# Altium PCB CRD25DA12N-FMC V1.1 (07-2023).PcbDoc (part 3 of 7) (continued)
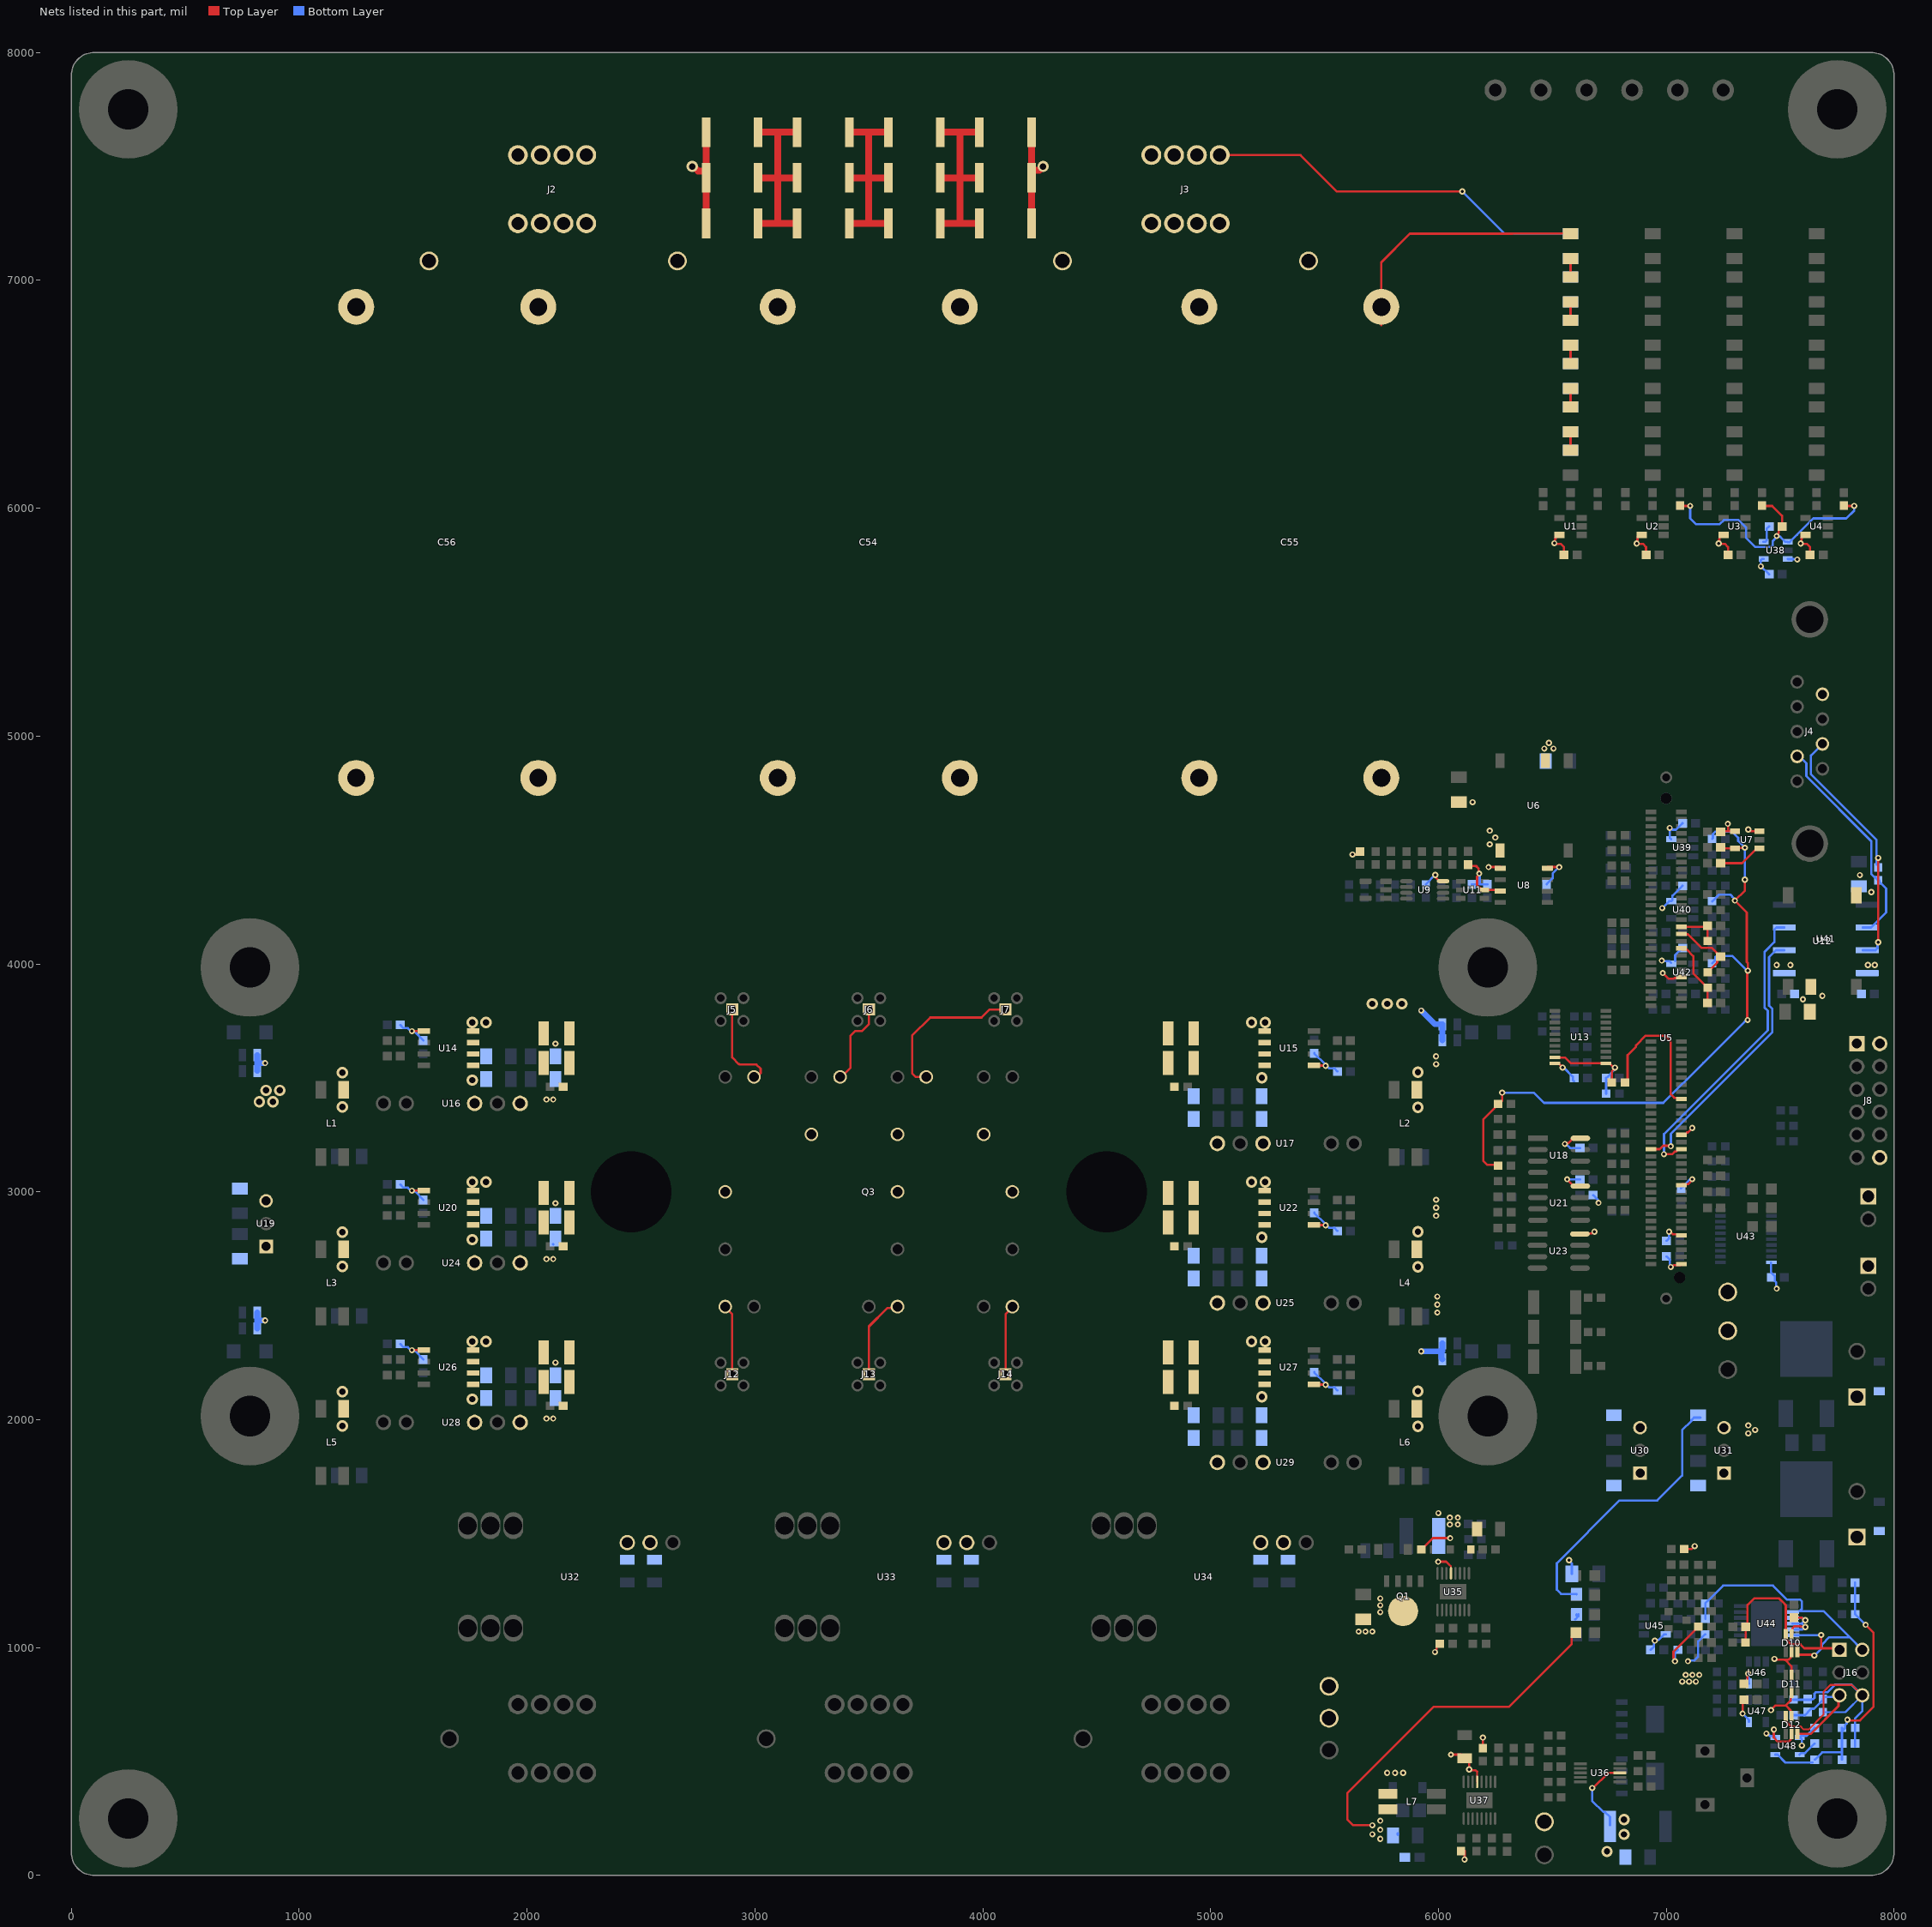
[diagram p7: the nets of this part, all layers, seen from the top]
## Part data (continued)
U14 U15 U20 U22 U26 U27: "5A/5A, 3-KVRMS SINGLE-CHANNEL IS", Manufacturer="TEXAS INSTRUMENTS", Max Operating Temperature=125°C, Mfr_Name="Texas Instruments", Min Operating Temperature=-40°C, Package=8-SOIC, Supplier Part Number 1=296-47508-ND, Working Voltage=990V, Category="Integrated Circuits (ICs)", Class=U, ComponentLink1Description=http://www.ti.com/lit/ds/symlink/ucc5350sb.pdf?src-supplier=Farnell, ComponentLink1URL=http://www.ti.com/lit/ds/symlink/ucc5350sb.pdf?src-supplier=Farnell, ComponentLink2Description=http://www.ti.com/lit/ds/symlink/ucc5350.pdf?src-supplier=Digi-Key, ComponentLink2URL=http://www.ti.com/lit/ds/symlink/ucc5350.pdf?src-supplier=Digi-Key, Copyright="Copyright (C) 2021 Ultra Librarian. All rights reserved.", Digi-Key_Part_Number_1=296-47508-ND, Manufacturer Part Number=UCC5350SBD, Manufacturer Print="TEXAS INSTRUMENTS", Manufacturer_Part_Number=UCC5350SBD, Number Of Channels=1, Pricing 1="1=3.15000, 10=2.83100, 25=2.67600, 100=2.31920, 250=2.20024, 500=1.97428, 1000=1.68300 (USD)", RefDes=RefDes, RoHS=Yes, RoHS Compliant=Yes, Stock 1=1, Supplier 1=Digi-Key, Type=DEV
U16 U17 U24 U25 U28 U29: "DC DC CONVERTER 15V -3V 1.7W", Manufacturer=MURATA, Package=7-SIP, Supplier Part Number 1=580-MGJ2D121503SC, Category="Board Mount Modules", Manufacturer Part Number=MGJ2D121503SC, Manufacturer Print=MURATA, Pricing 1="1=8.68000, 10=8.68000, 50=8.67000, 100=8.33000, 1000=8.00000, 10000=8.00000 (USD)", RoHS=Yes, Stock 1=14, Supplier 1=Mouser
U18 U21 U23: library part CMP-04896-000023-1, "IC COMPARATOR R-R HI-SPD 8-SOIC", Ambient Temperature Range High=+125°C, Ambient Temperature Range Low=-40°C, Input Bias Current=0.000002uA, Input Offset Voltage=1mV, Manufacturer="TEXAS INSTRUMENTS", Max Junction Temp=+150°C, Max Supply Voltage=5.5V, Min Supply Voltage=2.2V, Nominal Supply Current=3.2mA, Package=8-SOIC, Temperature="-40°C to +125°C", Automotive=No, Category=IC, ComponentLink2Description=Datasheet, ComponentLink2URL=http://www.ti.com/lit/ds/symlink/tlv3502.pdf, Device Class L1="Integrated Circuits (ICs)", Device Class L2="Linear ICs", Device Class L3=Comparators, Digikey Description="IC COMPARATOR R-R HI-SPD 8-SOIC", Height=1.75mm, Lead Free=Yes, Manufacturer Part Number=TLV3502AID, Manufacturer Print="TEXAS INSTRUMENTS", Mouser Description="TLV3502AID Texas Instruments, Dual Comparator, Push-Pull O/P, 3 V, 5 V 8-Pin SOIC", Number Of Channels=2, Octopart=https://octopart.com/tlv3502aid-texas+instruments-428400, RoHS=TRUE, Standoff Height=0.11mm, Temperature Range High=+125°C, Temperature Range Low=-40°C
U19 U31: "DC DC CONVERTER 5V 5W", Case/Package=SIP, Current - Output 1=1A, Manufacturer=RECOM, Max Input Voltage=28V, Max Operating Temperature=85°C, Max Output Voltage=5V, Max Power Dissipation=5W, Min Input Voltage=8V, Min Operating Temperature=-40°C, Package=3-SIP, Package Quantity=42, Supplier Part Number 1=1446013, Category="Voltage Regulators - Switching", ComponentLink1Description=http://www.farnell.com/datasheets/2787646.pdf?src-supplier=Farnell, ComponentLink1URL=http://www.farnell.com/datasheets/2787646.pdf?src-supplier=Farnell, ComponentLink2Description=http://www.mouser.com/ds/2/468/R-78Exx-1.0-958279.pdf?src-supplier=Mouser, ComponentLink2URL=http://www.mouser.com/ds/2/468/R-78Exx-1.0-958279.pdf?src-supplier=Mouser, ComponentLink3Description=https://www.recom-power.com/pdf/Innoline/R-78Exx-1.0.pdf?src-supplier=Digi-Key, ComponentLink3URL=https://www.recom-power.com/pdf/Innoline/R-78Exx-1.0.pdf?src-supplier=Digi-Key, ComponentLink4Description=http://www.farnell.com/datasheets/1848475.pdf?src-supplier=Newark, ComponentLink4URL=http://www.farnell.com/datasheets/1848475.pdf?src-supplier=Newark, ComponentLink5Description=http://www.farnell.com/datasheets/2787646.pdf?src-supplier=Element14, ComponentLink5URL=http://www.farnell.com/datasheets/2787646.pdf?src-supplier=Element14, ComponentLink6Description=http://datasheet.octopart.com/R-78E5.0-1.0-Recom-Power-datasheet-68298118.pdf?src-supplier=Rs, ComponentLink6URL=http://datasheet.octopart.com/R-78E5.0-1.0-Recom-Power-datasheet-68298118.pdf?src-supplier=Rs, Efficiency=91%, Features=SCP, Height=10.4mm, Lead Free="Lead Free", Length=11.6mm, Manufacturer Part Number=R-78E5.0-1.0, Manufacturer Print=RECOM, Max Output Current=1A, Mount="Through Hole", Number Of Outputs=1, Output Power=5W, Packaging=Rail/Tube, RoHS=Yes, RoHS Compliant=Yes, Stock 1=661, Supplier 1=Rs, Voltage - Output 1=5V, Weight=2g, Width=8.5mm
U30: "DC DC CONVERTER 3.3V 3W", Case/Package=SIP, Manufacturer=RECOM, Max Input Voltage=28V, Max Operating Temperature=85°C, Max Output Current=1A, Max Output Power=3.3W, Max Output Voltage=3.3V, Max Power Dissipation=3W, Min Input Voltage=8V, Min Input Voltage (DC)=7V, Min Operating Temperature=-40°C, Package=3-SIP, Supplier Part Number 1=9176626, Category="Board Mount Modules", ComponentLink1Description=http://www.farnell.com/datasheets/2787646.pdf?src-supplier=Farnell, ComponentLink1URL=http://www.farnell.com/datasheets/2787646.pdf?src-supplier=Farnell, ComponentLink2Description=https://www.recom-power.com/pdf/Innoline/R-78Exx-1.0.pdf?src-supplier=Digi-Key, ComponentLink2URL=https://www.recom-power.com/pdf/Innoline/R-78Exx-1.0.pdf?src-supplier=Digi-Key, ComponentLink3Description=http://www.farnell.com/datasheets/1965125.pdf?src-supplier=Element14, ComponentLink3URL=http://www.farnell.com/datasheets/1965125.pdf?src-supplier=Element14, ComponentLink4Description=http://www.farnell.com/datasheets/2787646.pdf?src-supplier=Newark, ComponentLink4URL=http://www.farnell.com/datasheets/2787646.pdf?src-supplier=Newark, Efficiency=91%, Features=SCP, Height=10.4mm, Lead Free="Lead Free", Length=11.6mm, Manufacturer Part Number=R-78E3.3-1.0, Manufacturer Print=RECOM, Max Input Voltage (DC)=28V, Mount="Through Hole", Nominal Output Voltage=3.3V, Number Of Outputs=1, Packaging=Rail/Tube, Pricing 1="1=3.93700, 5=3.82200, 10=3.69700, 25=3.58300, 50=3.46900 (USD)", Reach SVHC Compliant=Yes, RoHS=Yes, RoHS Compliant=Yes, Series="INNOLINE R-78E", Stock 1=1, Supplier 1=Rs, Voltage - Output 1=3.3V, Weight=2g, Width=8.5mm
U32 U33 U34: "SENSOR CURRENT HALL 50A AC/DC", Case/Package=Module, Current Rating=50A, Frequency=200kHz, Manufacturer=LEM, Max Operating Temperature=85°C, Max Supply Current=35mA, Min Operating Temperature=-25°C, Operating Supply Voltage=15V, Package=N/A, Package Quantity=12, Secondary Current=25mA, Supplier Part Number 1=44W8442, Accuracy=0.25%, Category="Current Sensors", ComponentLink1Description=https://datasheet.ciiva.com/2812/lah2050-p20e-2812498.pdf?src-supplier=Digi-Key, ComponentLink1URL=https://datasheet.ciiva.com/2812/lah2050-p20e-2812498.pdf?src-supplier=Digi-Key, ComponentLink2Description=https://datasheet.ciiva.com/3327/lah50p-eng-tds-3327447.pdf?src-supplier=Distrelec, ComponentLink2URL=https://datasheet.ciiva.com/3327/lah50p-eng-tds-3327447.pdf?src-supplier=Distrelec, Current Sensing=50A, Height=21mm, Lead Free="Lead Free", Linearity=0.15%, Manufacturer Part Number="LAH 50-P", Manufacturer Print=LEM, Mount="Through Hole,PCB", Number Of Channels=1, Overall Depth=14.93mm, Overall Height=21mm, Packaging=Bulk, Polarity=Bidirectional, Pricing 1="1=22.98000, 10=21.60000, 25=20.67000 (USD)", Reach SVHC Compliant=Yes, Response Time=0.5us, RoHS=Yes, RoHS Compliant=Yes, Series=LAH, Stock 1=776, Supplier 1=Newark, Width=33.3mm
U35 U37: "IC REG MULTI CONFG ADJ 16MSOP", Frequency Adjust Range="Up - 2.5MHz", Manufacturer="ANALOG DEVICES", Package=16-TFSOP, Supplier Part Number 1=51AK8743, ComponentLink1Description="Manufacturer URL", ComponentLink1URL=http://www.linear.com/, ComponentLink2Description=Datasheet, ComponentLink2URL=http://cds.linear.com/docs/en/datasheet/3581f.pdf, ComponentLink3Description="Package Specification", ComponentLink3URL=http://cds.linear.com/docs/en/packaging/05081667_F_MSE16.pdf, Manufacturer Part Number=LT3581EMSE#PBF, Manufacturer Print="ANALOG DEVICES", Mounting Technology="Surface Mount", Number Of Outputs=1, PackageDescription="16-Pin Plastic MSOP, Exposed Die Pad, Body 4.039 x 3 mm, Pitch 0.5 mm", PackageReference=MSE-16, PackageVersion="Rev. F, 05/2013", RoHS=TRUE, Supplier 1=Newark
U36: "IC SURGE SUPPRESSION ADJ 10MSOP", Manufacturer="ANALOG DEVICES", Package=10-MSOP, Supplier Part Number 1=505-LTC4368IMS-2#PBF-ND, Category="Power Management ICs", ComponentLink1Description=http://www.linear.com/docs/57622?src-supplier=Digi-Key, ComponentLink1URL=http://www.linear.com/docs/57622?src-supplier=Digi-Key, Manufacturer Part Number=LTC4368IMS-2#PBF, Manufacturer Print="ANALOG DEVICES", Pricing 1="1=6.69000, 10=6.03900, 25=5.75840, 100=5.00000, 250=4.77528, 500=4.35396, 1000=3.97500 (USD)", RoHS=Yes, Supplier 1=Digi-Key
U41: "IC TXRX/ISO HALF 1/1 8SOP", Drivers Per Package=1, Manufacturer="TEXAS INSTRUMENTS", Package=8-SOP, Rating=Catalog, ComponentLink1Description=Datasheet, ComponentLink1URL=http://www.ti.com/general/docs/lit/getliterature.tsp?genericPartNumber=ISO1050&fileType=pdf, ComponentLink2Description="Package Specification", ComponentLink2URL=http://www.ti.com/litv/pdf/mpds247b, DatasheetVersion=SLLS983E, Eco-Plan="Green (RoHS & no Sb/Br)", Isolated=Yes, Manufacturer Part Number=ISO1050DUBR, Manufacturer Print="TEXAS INSTRUMENTS", Mounting Technology="Surface Mount", PackageDescription="8-Pin Small Outline Package 2.54 mm Pitch", PackageReference=DUB0008A, PackageVersion="revC, May-2006", PartNumber=ISO1050DUBR, SubFamily=CAN, Supplier 1="Arrow Electronics", Supplier Part Number 1=ISO1050DUBR
U44: library part CMP-04895-000282-1, "IC POWER 2 CIRCUIT 14HTSSOP", Manufacturer="TEXAS INSTRUMENTS", Package=14-PowerTSSOP, Manufacturer Part Number=ALM2402FQPWPRQ1

## Via types
v1: diameter 27, hole 13, Top Layer to Bottom Layer, tented both sides, 455 vias
v2: diameter 50, hole 28, Top Layer to Bottom Layer, tented both sides, 76 vias
v3: diameter 19.68, hole 7.87, Top Layer to Bottom Layer, 27 vias

## Nets (pads, with @x,y where several pads share a name; then routed paths per layer and width w, separated by ;. In a path a pad name is that pad's centre, name@x,y a point inside that pad or via, vN(x,y) a via of type N, cw(c..) or ccw(c..) an arc to the next point about the centre after c; other vN are vias at no path point)
+1.65V_I: C15.1 U7.1 | length 196.7
  Top Layer w10: C15.1@7238.58,4442 7332.71,4442 7398.31,4507.6 U7.1@7408.15,4507.6
+1.65V_R: C167.1 C168.1 C178.1 C180.1 C181.1 R214.1 R228.1 U48.1 | length 1233.4
  Top Layer w10: v1(7795.11,683.33) 7798.37,680.08 7822.97,680.08 7823.05,680 7850,680 7910,740 7910,1065 v1(7875,1100)
  Bottom Layer w10: U48.1@7478.7,530.2 7488.54,530.2 7523.74,495 C181.1@7642.8,495 ; C181.1@7651.42,508 7652.37,508 7684.37,540 7768.9,540 7771.42,542.52 ; C180.1@7771.42,508 7771.42,542.52 ; R228.1@7771.38,647 R228.1@7771.38,647 R228.1@7771.42,634 ; v1(7795.11,683.33) 7791.86,680.08 7791.86,666.58 7785.24,659.96 7785.24,646.96 7772.28,634 R228.1@7771.42,634 ; C167.1@7828.58,1285 C168.1@7828.58,1215 C168.1@7828.58,1215 R214.1@7828.62,1146 7829.53,1146 7875,1100.53 v1(7875,1100) ; 7771.42,542.52 7771.42,577.05 7770.47,578 C178.1@7771.42,578 R228.1@7771.42,634
+1.65V_V: C5.1 R40.2 R42.2 R44.2 U38.1 | length 1288.1
  Top Layer w10: R40.2@7060,6011.38 7061.38,6010 v1(7105,6010) ; R42.2@7420,6011.38 7421.38,6010 7465,6010 7508.58,5966.42 C5.1@7508.58,5920 7507.63,5920 7493.76,5906.14 7493.76,5891.72 7484.64,5882.6 v1(7484.64,5878) ; R44.2@7780,6011.38 7781.38,6010 v1(7825,6010)
  Bottom Layer w10: v1(7105,6010) 7105,5955 7130,5930 7234.54,5930 7253.04,5948.5 7316.81,5948.5 7350.91,5914.39 7350.91,5869.09 7390.41,5829.59 7459.9,5829.59 7467.25,5836.94 7467.25,5856.01 7484.64,5873.4 v1(7484.64,5878) 7487.9,5874.75 7500.96,5874.75 7523.31,5852.4 U38.1@7533.15,5852.4 ; U38.1@7533.15,5851.2 7541.79,5851.2 7574.09,5883.5 7645.59,5955 7790,5955 7825,5990 v1(7825,6010)
+3.3V: C6.1 C7.1 C8.1 C9.1 C23.1 C46.1 C47.1 C64.1 C73.1 C77.1 C81.1 C83.1 C104.1 C109.1 C114.1 C149.1 C172.1 J8.1 R97.2 R207.1 R217.2 TP5.1 U1.5 U2.5 U3.5 U4.5 U8.8 U12.2 U18.8 U21.8 U23.8 U30.3 U39.5 U40.5 U41.1 U42.5 U45.5 U46.5 U47.5 | length 2098.6
  Top Layer w10: U8.8@6478.35,4425 v1(6530,4425) v1@6532.5,4422.5 ; U1.5@6531.77,5882.6 6522.91,5882.6 6514.13,5873.82 6514.13,5864.96 6511.83,5862.66 6511.83,5849.68 v1(6508.58,5846.42) 6511.14,5843.86 6537.56,5843.86 6551.42,5830 C6.1@6551.42,5795 ; v1(6555,3210) 6558.25,3213.25 6570.07,3213.25 6591.81,3235 U18.8@6623.06,3235 ; v1(6565,3055) 6565,3053.41 6593.41,3025 U21.8@6623.06,3025 U21.8@6651.78,3025 ; U23.8@6621.11,2815 6655.85,2815 6658.32,2817.47 6672.87,2817.47 6680.4,2825 v1(6685,2825) ; U2.5@6891.77,5882.6 6882.91,5882.6 6874.13,5873.82 6874.13,5864.96 6873.25,5864.08 6873.25,5848.25 v1(6870,5845) 6871.14,5843.86 6897.56,5843.86 6911.42,5830 C7.1@6911.42,5795 ; R97.2@7078.62,1432 7111.29,1432 7124.29,1445 v1(7125,1445) ; U3.5@7251.77,5882.6 7242.91,5882.6 7234.13,5873.82 7234.13,5864.96 7233.25,5864.08 7233.25,5848.25 v1(7230,5845) 7231.14,5843.86 7257.56,5843.86 7271.42,5830 C8.1@7271.42,5795 ; v1(7335,710) 7335,764.58 C47.1@7341.42,771 ; C46.1@7341.42,840 7342.37,840 7356.24,853.86 7356.24,876.64 7360,880.4 v1(7360,885) ; U4.5@7611.77,5882.6 7602.91,5882.6 7594.13,5873.82 7594.13,5864.96 7593.25,5864.08 7593.25,5848.25 v1(7590,5845) 7591.14,5843.86 7617.56,5843.86 7631.42,5830 C9.1@7631.42,5795
  Bottom Layer w10: C73.1@6475,4348.58 6475,4349.53 6501.5,4376.03 6501.5,4396.5 v1(6530,4425) ; v1(6555,3210) 6559.31,3210 6577.31,3192 C104.1@6621.42,3192 ; v1(6565,3055) 6620.42,3055 C109.1@6621.42,3054 ; v1(6573.38,1383.08) 6573.38,1381.88 6585.9,1369.37 R207.1@6585.9,1323 ; C114.1@6678.58,2985 6679.53,2985 6699.46,2965.06 6699.46,2954.61 v1(6702.72,2951.35) v1@6699.46,2948.1 ; C172.1@6931.42,990 6932.37,990 6946.24,1003.86 6946.24,1021.64 6950,1025.4 v1(6950,1030) 6953.25,1033.25 6965.02,1033.25 6989.37,1057.6 U45.5@6998.23,1057.6 ; v1(6980.22,4014.95) 6983.47,4011.7 7014.48,4011.7 U42.5@7021.77,4004.4 ; v1(6982.51,4245) 7012.91,4275.4 U40.5@7021.77,4275.4 7027.47,4281.1 7027.47,4300 7070.47,4343 C77.1@7071.42,4343 ; U39.5@7021.77,4547.4 7015.1,4554.07 v1(7015.1,4596.7) 7019.7,4596.7 7027.41,4589 7042.47,4589 7070.47,4617 C64.1@7071.42,4617 ; U42.5@7039.41,4013.18 7039.41,4038.94 7070.47,4070 C81.1@7071.42,4070 ; v1(7095,940) 7098.25,943.25 7123.25,943.25 7140,960 7140,1027.53 7170.47,1058 R217.2@7171.38,1058 ; v1(7335,710) 7362.6,682.4 U47.5@7362.6,673.54 ; v1(7360,885) 7361.3,883.7 7361.3,843.07 U46.5@7362.6,841.77
  other v1: 7600,3845 7685,3860 7485,3995 7545,3995
+3.3V_I: C12.1 R66.2 R71.2 R154.2 R166.2 R172.2 U7.5 | length 3103.2
  Top Layer w10: R71.2@6266.38,3114 6262.07,3118.31 6215,3118.31 6196.5,3136.81 6196.5,3317.03 6265.47,3386 6267.04,3386 6280,3398.96 v1(6280,3435) ; C12.1@7238.58,4511 7241.98,4507.6 U7.5@7301.85,4507.6 7303.05,4508.8 7343.8,4508.8 v1(7345,4510) ; v1(7345,4370) 7345,4322.29 v1(7300.98,4278.27) 7353.5,4225.75 7353.5,4008.5 7357.89,4004.11 v1(7357.89,3970) ; v1@7355,3970 7355,3756.03 v1(7357.21,3753.81)
  Bottom Layer w10: v1(6280,3435) 6418.95,3435 6463.95,3390 6986.9,3390 7162.57,3565.67 7345.25,3748.35 7347.15,3748.35 7352.61,3753.81 v1(7357.21,3753.81) ; R172.2@7201.38,4003 7202.04,4003 7215,4015.96 7215,4029.14 7220.86,4035 7290,4035 7355,3970 v1(7357.89,3970) ; R166.2@7201.38,4275 7202.28,4275 7231.24,4303.96 7282.04,4303.96 7289.11,4296.88 7289.11,4294.74 7300.98,4282.87 v1(7300.98,4278.27) ; R154.2@7201.38,4548 7205,4551.62 7205,4570 7215,4580 7289.69,4580 7315.72,4553.97 7315.72,4539.28 v1(7345,4510) v1(7345,4370)
+3.3V_R: C179.1 U48.5 | length 86.2
  Bottom Layer w10: U48.5@7585,530.2 7591.81,537.01 7609.48,537.01 7650.47,578 C179.1@7651.42,578
+3.3V_V: C61.1 U38.5 | length 82
  Bottom Layer w10: U38.5@7426.85,5852.4 7434.01,5852.4 7440.82,5859.21 7440.82,5909.4 C61.1@7451.42,5920
+5V: C11.1 C62.1 C63.1 C88.1 C93.1 C95.1 C111.1 C117.1 C124.1 C126.1 C129.1 C132.1 C140.1 C145.1 C148.1 C177.1 J8.2 R210.2 TP6.1 U5.48 U5.84 U5.98 U5.112 U5.120 U6.2 U7.3 U7.4 U13.20 U15.1 U22.1 U27.1 U31.3 U38.3 U38.4 U43.20 U48.3 U48.4 | length 2982.5
  Top Layer w10: U27.1@5453.27,2155 5454.37,2153.9 5503.9,2153.9 v1(5505,2152.8) ; U22.1@5453.27,2855 5454.37,2853.9 5503.9,2853.9 v1(5505,2852.8) ; U15.1@5453.27,3555 5454.37,3553.9 5503.9,3553.9 v1(5505,3552.8) ; U13.20@6510.59,3563.82 6526.34,3563.82 6536.9,3553.25 6546.75,3553.25 v1@6550,3550 ; v1(6984.55,3959.95) 6985.18,3959.95 7009.51,3935.62 7033.12,3935.62 7035.37,3937.87 7062.09,3937.87 U5.48@7066.93,3942.72 ; v1(7012.3,2825) 7016.9,2825 7028.31,2813.59 7062.19,2813.59 U5.112@7066.93,2808.86 ; 7032.63,2678.03 7062.09,2678.03 U5.120@7066.93,2682.87 ; U5.98@7066.93,3029.33 7071.77,3034.17 7096.74,3034.17 7114.05,3051.49 v1(7114.05,3055.34) ; U5.84@7066.93,3249.8 7080.71,3249.8 7091.36,3260.46 7095.11,3260.46 7114.05,3279.4 v1(7114.05,3280) ; C11.1@7238.58,4580 7240.98,4582.4 7271.41,4582.4 ; v1(7270,4615) 7271.41,4613.59 7271.41,4582.4 ; U7.4@7301.85,4582.4 7271.41,4582.4 ; v1(7360,4590) 7364.6,4590 7372.2,4582.4 U7.3@7408.15,4582.4
  Bottom Layer w10: C140.1@5455,2208.42 5455,2207.47 5501.75,2160.73 5501.75,2156.05 v1(5505,2152.8) 5509.6,2152.8 5520.53,2141.86 5542.56,2141.86 C145.1@5556.42,2128 ; C117.1@5455,2908.42 5455,2907.47 5501.75,2860.73 5501.75,2856.05 v1(5505,2852.8) 5509.6,2852.8 5520.53,2841.86 5542.56,2841.86 C124.1@5556.42,2828 ; C88.1@5455,3608.42 5455,3607.47 5501.75,3560.73 5501.75,3556.05 v1(5505,3552.8) 5509.6,3552.8 5520.53,3541.86 5542.56,3541.86 C93.1@5556.42,3528 ; v1(6545,3545) 6548.25,3541.75 6553.73,3541.75 6590,3505.47 6590,3490 C95.1@6595,3485 ; R210.2@6606.54,1234 6605.54,1235 6538.57,1235 6520,1253.57 6520,1370 6795,1645 6960,1645 7070,1755 7070,1954.14 7110.39,1994.53 7110.39,1998.49 7121.09,2009.19 C148.1@7150,2009.19 ; C129.1@7001.42,2716 7002.37,2716 7016.24,2702.14 7016.24,2678.36 7020,2674.6 v1(7020,2670) ; C126.1@7001.42,2785 7012.3,2795.88 v1(7012.3,2825) ; C111.1@7065,3015 7065,3015.95 7101.14,3052.09 7110.8,3052.09 v1(7114.05,3055.34) ; U38.4@7426.85,5777.6 7421.81,5777.6 7415,5770.79 v1(7415,5745) 7415.47,5745 7450.47,5710 C62.1@7451.42,5710 ; v1(7439.83,622.32) 7444.43,622.32 7454.93,611.81 7471.89,611.81 U48.3@7478.7,605 ; U43.20@7459.41,2688.82 7459.41,2647.05 7476.24,2630.22 7476.24,2608.36 7481.75,2602.85 7481.75,2578.25 v1(7485,2575) ; U38.3@7533.15,5777.6 7534.45,5776.3 7573.7,5776.3 v1(7575,5775) ; v1(7595,570) 7595,598.19 7588.19,605 U48.4@7585,605 7591.81,611.81 7615.28,611.81 7650.47,647 C177.1@7651.42,647
  other v1: 7360,1940 7390,1955 7360,1975 5995,2470 5995,2505 5995,2540 5990,2895 5990,2930 5990,2965 5990,3560 5989.18,3594.18 6465,4945 6505,4945 6485,4970
+5V_ALT: C87.1 C89.1 C110.1 C112.1 C118.1 C137.1 C141.1 U14.1 U19.3 U20.1 U26.1 | length 546.2
  Top Layer w10: v1(1495,2305) U26.1@1546.73,2305 ; v1(1495,3005) U20.1@1546.73,3005 ; v1(1495,3705) U14.1@1546.73,3705
  Bottom Layer w10: C137.1@1443.58,2332 1457.44,2318.14 1477.26,2318.14 1490.4,2305 v1(1495,2305) 1498.25,2301.75 1507.78,2301.75 1545,2264.53 C141.1@1545,2263.58 ; C110.1@1443.58,3032 1457.44,3018.14 1477.26,3018.14 1490.4,3005 v1(1495,3005) 1498.25,3001.75 1507.78,3001.75 1545,2964.53 C118.1@1545,2963.58 ; C87.1@1443.58,3732 1457.44,3718.14 1477.26,3718.14 1490.4,3705 v1(1495,3705) 1498.25,3701.75 1507.78,3701.75 1545,3664.53 C89.1@1545,3663.58
+5V_ISO: C67.1 C82.1 J4.9 U12.5 U41.8
  other v1: 7885,3995 7915,3995 7900,4315 7850,4390
+5V_NTC: C10.1 C14.1 C74.1 C75.1 R47.2 R158.2 U6.5 U8.1 U8.3 U9.8 U11.5 | length 559.2
  Top Layer w10: v1@5615,4480 5643.04,4480 5656,4492.96 R47.2@5656,4493.62 ; v1(5986.01,4390.54) 5989.26,4387.28 5989.26,4378.22 6004.1,4363.39 U9.8@6012.4,4363.39 ; C14.1@6130,4436.42 6136.42,4430 6165,4430 6176.24,4418.76 6176.24,4399.52 v1(6179.07,4396.68) 6179.07,4392.08 6169.51,4382.52 6169.51,4346.83 6191.34,4325 U8.3@6271.65,4325 ; v1(6220,4425) U8.1@6271.65,4425
  Bottom Layer w10: R158.2@5945,4348.62 5945,4349.53 v1(5986.01,4390.54) ; C75.1@6147,4348.58 6181,4348.58 ; v1(6179.07,4396.68) 6181,4394.76 6181,4348.58 ; C74.1@6215,4348.58 6181,4348.58
  other v1: 5623,4480 6225,4525 6250,4555 6225,4585 6150,4710
+12V: C37.1 C48.1 C125.1 C154.1 C155.1 C184.1 D5.2 D17.1 D18.1 J8.12 J9.1 J10.1 J11.1 J15.1 L1.1 L2.1 L3.1 L4.1 L5.1 L6.1 L7.1 L8.1 R99.2 R108.2 R112.2 R119.2 R178.2 R183.2 R185.2 R188.2 R200.2 R201.2 R202.2 R203.2 R229.2 TP14.1 U19.1 U30.1 U31.1 U35.5 U36.8 U37.5 | length 1480.6
  Top Layer w8: 6048.25,1362.83 6055,1356.08 U35.5@6055,1350 ; U37.5@6169.84,409.25 6169.84,455 ; 6745,449.84 U36.8@6797.09,449.84
  Top Layer w10: R99.2@5925,1430 5925.91,1430 5975.91,1480 v1(6051.5,1480) ; v1(5985,980) 5985,984.6 5991.93,991.53 5991.93,1004.04 6004.88,1017 R108.2@6005.79,1017 ; v1(5998.61,1376.66) 6034.42,1376.66 6048.25,1362.83 ; v1(6055,530) 6100.36,530 6135,495.36 v1(6135,465) 6138.25,461.75 6163.1,461.75 6169.84,455 ; v1(6115,70) R119.2@6115,107.95 ; C37.1@6166.82,1520 C37.1@6166.82,1527.91 ; R112.2@6195,560.79 v1(6195,605) ; v1(6674.85,383.5) 6678.66,383.5 6745,449.84
  Bottom Layer w10: v1(6674.85,383.5) 6674.85,327.3 6724.07,278.08 6731.14,278.08 6752.87,256.34 R229.2@6752.87,220
  Bottom Layer w25: R201.2@815.95,2400 815.95,2435 ; R200.2@815.95,2470 815.95,2435 ; R188.2@815.95,3530 815.95,3565 ; R185.2@815.95,3600 815.95,3565 ; v1(850,2435) 815.95,2435 ; v1(850,3565) 815.95,3565 ; v1(5925,2300) 6017.52,2300 R202.2@6017.52,2335 ; v1(5925,3795) 5985,3735 R178.2@6017.52,3735 R183.2@6017.52,3665 ; 6013.29,2307.34 6013.29,2269.23 R203.2@6017.52,2265
  other v1: 5775,450 5810,450 5845,450 6050,1540 6085,1540 6050,1570 6085,1570 6000,1590
  other v2: 6740,105 6815,180 6815,245 5910,1970 1190,1972 1190,2123 5910,2125 5910,2670 1190,2672 1190,2823 5910,2825 5910,3370 1190,3372 825,3395 885,3395 855,3445 915,3445 1190,3523 5910,3525 5710,3825 5775,3825 5840,3825
+15V: C40.1 C42.1 C161.1 C163.1 C165.1 D10.2 D10.5 D11.2 D11.5 D12.2 D12.5 Q1.5-6-7-8 R105.2 R213.2 R219.2 TP8.1 U32.8 U33.8 U34.8 U44.10 U44.11 U44.12 | length 1183
  Top Layer w10: C40.1@5655,1105 C40.1@5670,1120 ; v1(7038,940) 7034.75,943.25 7034.75,950.25 7031.78,953.22 7031.78,982.31 7140.47,1091 R105.2@7141.38,1091 ; v1(7459.43,725.36) 7479.79,745.72 7525.11,745.72 ; v1(7472.16,640.31) 7472.16,604.54 7489.7,586.99 7537.82,586.99 7546.14,595.31 7546.14,616.77 D12.2@7550,620.63 ; v1(7475,950) 7478.01,946.99 7519,946.99 7520,945.99 ; D12.5@7550,699.37 7546.14,703.23 7546.14,724.69 7525.11,745.72 ; D11.2@7550,800.63 7546.14,796.77 7546.14,766.75 7525.11,745.72 ; D11.5@7550,879.37 7549.98,917.01 7520,946.99 7537.82,946.99 7546.14,955.31 7546.14,976.77 D10.2@7550,980.63 ; D10.5@7550,1059.37 7553.86,1063.23 7553.86,1084.69 7562.18,1093.01 7589.01,1093.01 7590.51,1091.5 7608.5,1091.5 v1(7610,1090) ; C42.1@7560,1131.42 7593.98,1131.42 7605.4,1120 v1(7610,1120)
  Bottom Layer w10: R213.2@6600.79,1123.43 6614.49,1137.13 R213.2@6614.49,1145 ; R213.2@6606.54,1140.98 R213.2@6606.54,1145 ; v1(7038,940) 7038,977.04 7050.96,990 R219.2@7051.38,990 ; U44.12@7554.17,1079.41 7597.69,1079.41 7608.28,1090 v1(7610,1090) 7595,1105 ; U44.11@7554.17,1105 7595,1105 ; U44.10@7555.91,1128.86 U44.10@7554.17,1130.59 7596.29,1130.59 7606.88,1120 v1(7610,1120) 7595,1105
  other v1: 7070,850 7100,850 7130,850 7085,880 7115,880 7145,880 5650,1070 5680,1070 5710,1070 5745,1155 5745,1185 5745,1215
+15V_U_HS: C122.1 C127.1 U20.5 U24.7 | length 1.1
  Bottom Layer w10: C127.1@2114.19,2770 C127.1@2115,2769.19
  other v1: 2085,2705 2115,2705 2125,2950
  other v2: 1760,2790
+15V_U_LS: C143.1 C146.1 U26.5 U28.7
  other v1: 2085,2005 2115,2005 2125,2250
  other v2: 1760,2090
+15V_V_HS: C91.1 C96.1 U14.5 U16.7
  other v1: 2085,3405 2115,3405 2125,3650
  other v2: 1760,3490
+15V_V_LS: C151.1 C153.1 U27.5 U29.7
  other v2: 5180,2342.8 5240,2342.8
+15V_W_HS: C99.1 C101.1 U15.5 U17.7
  other v2: 5180,3742.8 5240,3742.8
+15V_W_LS: C131.1 C134.1 U22.5 U25.7
  other v2: 5180,3042.8 5240,3042.8
-3V_U_HS: C123.2 C128.2 U20.8 U24.5
  other v2: 1760,3042.8 1820,3042.8
-3V_U_LS: C144.2 C147.2 U26.8 U28.5
  other v2: 1760,2342.8 1820,2342.8
-3V_V_HS: C92.2 C97.2 U14.8 U16.5
  other v2: 1760,3742.8 1820,3742.8
-3V_V_LS: C150.2 C152.2 U27.8 U29.5
  other v2: 5225,2100
-3V_W_HS: C98.2 C100.2 U15.8 U17.5
  other v2: 5225,3500
-3V_W_LS: C130.2 C133.2 U22.8 U25.5
  other v2: 5225,2800
-15V: C162.2 C164.2 C166.2 C183.1 D9.1 L7.2 R230.2 TP9.1 U32.7 U33.7 U34.7 | length 1556.3
  Top Layer w10: v1(5710,220) 5625,220 5600,245 5600,360 5980,740 6310,740 6585.04,1015.04 6585.04,1046.38 D9.1@6603.66,1065
  Bottom Layer w10: C183.1@5821.88,178.06 C183.1@5821.88,185
  other v1: 5745,160 5710,180 5745,200 5745,240
A14: C20.1 R58.2 U5.36 | length 304.8
  Top Layer w10: U5.36@7066.93,4131.69 7068.62,4130 7095,4130 7153.96,4071.04 7198.58,4071.04 C20.1@7237.63,4032 ; R58.2@7181.38,3964 7182.28,3964 7223.76,4005.48 7223.76,4018.14 C20.1@7237.63,4032 ; C20.1@7238.58,4032 C20.1@7237.63,4032
BLEED1: R1.1 R2.2 R5.1 R6.2 R9.1 R10.2 | length 914.5
  Top Layer w30: R9.1@3014.25,7250 3100,7250 ; R5.1@3014.25,7450 3100,7450 ; R1.1@3014.25,7650 3100,7650 ; R10.2@3185.75,7250 3100,7250 ; R6.2@3185.75,7450 3100,7450 ; R2.2@3185.75,7650 3100,7650 ; 3100,7250 3100,7450 ; 3100,7450 3100,7650
BLEED2: R2.1 R3.2 R6.1 R7.2 R10.1 R11.2 | length 914.5
  Top Layer w30: R10.1@3414.25,7250 3500,7250 ; R6.1@3414.25,7450 3500,7450 ; R2.1@3414.25,7650 3500,7650 ; R11.2@3585.75,7250 3500,7250 ; R7.2@3585.75,7450 3500,7450 ; R3.2@3585.75,7650 3500,7650 ; 3500,7250 3500,7450 ; 3500,7450 3500,7650
BLEED3: R3.1 R4.2 R7.1 R8.2 R11.1 R12.2 | length 914.5
  Top Layer w30: R11.1@3814.25,7250 3900,7250 ; R7.1@3814.25,7450 3900,7450 ; R3.1@3814.25,7650 3900,7650 ; R12.2@3985.75,7250 3900,7250 ; R8.2@3985.75,7450 3900,7450 ; R4.2@3985.75,7650 3900,7650 ; 3900,7250 3900,7450 ; 3900,7450 3900,7650
C14: C22.1 R59.2 U5.40 | length 298.9
  Top Layer w10: U5.40@7066.93,4068.7 7071.77,4063.86 7089.3,4063.86 7118.68,4034.47 7118.68,3957.79 7180.47,3896 R59.2@7181.38,3896 R59.2@7181.38,3896 C22.1@7181.42,3828
CAN_H: J4.7 R156.2 U41.7 | length 1136
  Top Layer w10: v1(7930,4095) v1(7930,4465)
  Bottom Layer w10: J4.7@7685.91,4965.47 7635,4914.57 7635,4832.46 7922.04,4545.42 R156.2@7922.04,4435.67 ; U41.7@7862.09,4060 U41.7@7882.09,4060 7918.5,4060 7927.28,4068.78 7927.28,4092.28 v1(7930,4095)
CAN_L: J4.2 R156.1 U41.6 | length 981.9
  Bottom Layer w10: J4.2@7574.09,4910.94 7584.06,4910.94 7615,4880 7615,4824.18 7900,4539.18 7900,4395 7914.76,4380.24 7917.04,4380.24 7930,4367.28 R156.1@7930,4366.38 ; U41.6@7862.09,4160 7898.5,4160 7965,4226.5 7965,4330.47 7935,4360.47 R156.1@7935,4366.38
CAN_RX: U5.87 U41.2 | length 1193.4
  Top Layer w10: U5.87@6933.07,3186.81 6971.51,3186.81 6986.54,3201.85 7018.15,3201.85 v1(7020.04,3199.96)
  Bottom Layer w10: v1(7020.04,3199.96) 7020.04,3255.04 7465.71,3700.71 7465.71,3802.42 7451.5,3816.64 7451.5,4030 7481.5,4060 U41.2@7517.91,4060
CAN_TX: U5.88 U41.3 | length 1331.6
  Top Layer w10: v1(6990,3165) 7025.39,3165 7036.54,3176.16 7042.5,3176.16 7053.15,3186.81 U5.88@7066.93,3186.81
  Bottom Layer w10: v1(6990,3165) 6990,3253.28 7445.71,3709 7445.71,3794.14 7431.5,3808.35 7431.5,4051.99 7474.65,4095.14 7474.65,4151.22 7483.43,4160 U41.3@7517.91,4160
COS: C18.1 R56.2 U5.34 | length 177.7
  Top Layer w10: U5.34@7066.93,4163.19 C18.1@7176.61,4163.19 ; R56.2@7181.38,4100 C18.1@7181.42,4168 C18.1@7181.42,4168
COS_N: C175.2 C178.2 D12.6 J16.6 R224.1 R225.1 R228.2 | length 1329.6
  Top Layer w8: 7528.27,673.3 7547.3,654.27 7589.01,654.27 7602.64,640.63 7625,640.63 7690,705.63 7690,805 7720.5,835.5 7814.5,835.5 J16.6@7860,790
  Top Layer w10: D12.6@7524.41,699.37 7524.41,685.59 7528.27,681.73 7528.27,673.3
  Bottom Layer w8: R225.1@7688,716.38 7786.38,716.38 J16.6@7860,790
  Bottom Layer w10: R224.1@7558.62,771 7636.02,771 7638.59,773.58 7644.89,773.58 7650.75,779.43 7650.75,797.62 7656.61,803.48 7707.73,803.48 7740.74,836.5 7813.5,836.5 J16.6@7860,790 7860,720.55 7828.62,689.17 R228.2@7828.62,647 7828.62,634 7828.58,633.96 C178.2@7828.58,565
COS_P: C175.1 D12.3 J16.5 R225.2 R227.1 | length 520.5
  Top Layer w10: D12.3@7575.59,620.63 7633.11,620.63 7755.98,743.5 7755.98,785.98 J16.5@7760,790
  Bottom Layer w10: R227.1@7558.62,703 7608.58,703 7622,716.42 7622,717.37 7635.86,731.24 7648.52,731.24 7690,772.72 R225.2@7690,773.62 ; R225.2@7688,773.62 7688,774.53 7696.96,783.48 7753.48,783.48 J16.5@7760,790
DC+: C54.1 C54.2 C55.1 C55.2 C56.1 C56.2 J2.1 J2.2 J2.3 J2.4 J2.5 J2.6 J2.7 J2.8 Q3.DC+_1 Q3.DC+_2 Q3.DC+_3 R1.2 R5.2 R9.2 R13.1 TP1.1 TP2.1 | length 1654.8
  Top Layer w10: 5749.61,6803.46 5749.61,7079.61 5875,7205 6325,7205 6325.12,7205.12 R13.1@6580,7205.12
  Top Layer w30: v2(2725,7500) 2730.41,7500 2751.32,7479.09 2781.89,7479.09 2785.75,7475.23 R5.2@2785.75,7450 ; R9.2@2785.75,7250 R5.2@2785.75,7450 ; R1.2@2785.75,7650 R5.2@2785.75,7450
DC+1: R13.2 R17.1 | length 79.8
  Top Layer w10: R17.1@6580,7015.12 R13.2@6580,7094.88
DC+2: R17.2 R21.1 | length 79.8
  Top Layer w10: R21.1@6580,6825.12 R17.2@6580,6904.88
DC+3: R21.2 R25.1 | length 79.8
  Top Layer w10: R25.1@6580,6635.12 R21.2@6580,6714.88
DC+4: R25.2 R29.1 | length 79.8
  Top Layer w10: R29.1@6580,6445.12 R25.2@6580,6524.88
DC+5: R29.2 R33.1 | length 79.8
  Top Layer w10: R33.1@6580,6255.12 R29.2@6580,6334.88
DC-: C54.3 C54.4 C55.3 C55.4 C56.3 C56.4 J3.1 J3.2 J3.3 J3.4 J3.5 J3.6 J3.7 J3.8 Q3.DC-1 Q3.DC-2 Q3.DC-3 R4.1 R8.1 R12.1 R125.1 TP3.1 TP4.1 | length 2171.4
  Top Layer w10: J3.4@5040,7550 5395,7550 5555,7390 v1(6105,7390)
  Top Layer w30: R12.1@4214.25,7250 R8.1@4214.25,7450 ; R4.1@4214.25,7650 R8.1@4214.25,7450 ; v2(4265,7500) 4248.11,7483.11 4218.11,7483.11 4214.25,7479.25 R8.1@4214.25,7450
  Bottom Layer w10: v1(6105,7390) 6289.88,7205.12 R125.1@6580,7205.12
DC-1: R125.2 R129.1 | length 79.8
  Bottom Layer w10: R129.1@6580,7015.12 R125.2@6580,7094.88
DC-2: R129.2 R133.1 | length 79.8
  Bottom Layer w10: R133.1@6580,6825.12 R129.2@6580,6904.88
DC-3: R133.2 R137.1 | length 79.8
  Bottom Layer w10: R137.1@6580,6635.12 R133.2@6580,6714.88
DC-4: R137.2 R141.1 | length 79.8
  Bottom Layer w10: R141.1@6580,6445.12 R137.2@6580,6524.88
DC-5: R141.2 R145.1 | length 79.8
  Bottom Layer w10: R145.1@6580,6255.12 R141.2@6580,6334.88
EXC_N: C170.2 D10.3 J16.2 R211.2 U44.9 | length 1227
  Top Layer w10: D10.3@7575.59,980.63 7575.59,972.36 7579.45,968.5 7641.9,968.5 7645.4,965 v1(7650,965)
  Bottom Layer w10: C170.2@7171.42,1126 R211.2@7171.38,1194 R211.2@7171.38,1194 7184.33,1206.96 7185.24,1206.96 7250.13,1271.84 7468.16,1271.84 7530,1210 7587.99,1210 7594.7,1203.29 7594.7,1169.5 7585.24,1160.04 7689.96,1160.04 7805,1045 ; v1(7650,965) 7684.13,999.13 7684.13,1014.13 7715,1045 7805,1045 ; J16.2@7860,990 7805,1045
EXC_P: C43.2 D10.6 J16.1 R107.2 U44.13 | length 952.4
  Top Layer w10: R107.2@7348.62,1022 C43.2@7348.58,1091 C43.2@7348.58,1091 7356.42,1098.84 7356.42,1186.47 7386.4,1216.46 7493.6,1216.46 7520,1190.05 7520,1190 7524.41,1185.59 7524.41,1060 7528.27,1056.14 7528.27,1034.05 7548.05,1014.27 7589.01,1014.27 7606.45,996.82 7753.18,996.82 J16.1@7760,990 ; 7679.82,998.5 7680,998.68 v1(7680,1055)
  Bottom Layer w10: U44.13@7558.03,1057.68 U44.13@7554.17,1053.82 7678.82,1053.82 v1(7680,1055)
G1: J5.1 Q3.G1 R75.2 R82.2 R231.2 | length 412.6
  Top Layer w10: J5.1@2900.39,3800 2900.39,3589.61 2930,3560 2931.48,3560 2932.86,3558.62 3006.38,3558.62 3025,3540 3025,3520 3008.94,3503.94 Q3.G1@2996.06,3503.94 Q3.G1@2995,3505
G1H: R82.1 U20.6
G1L: R75.1 U20.7
G2: J12.1 Q3.G2 R89.2 R95.2 R234.2 | length 308.6
  Top Layer w10: Q3.G2@2870.08,2496.06 2870.08,2493.05 2900.39,2462.74 J12.1@2900.39,2200
G2H: R89.1 U26.6
G2L: R95.1 U26.7
G3: J6.1 Q3.G3 R61.2 R63.2 R232.2 | length 368.9
  Top Layer w10: Q3.G3@3374.02,3503.94 3378.94,3503.94 3420,3545 3420,3685 3440,3705 3470,3705 3500,3735 3500,3799.61 J6.1@3500.39,3800
G3H: R63.1 U14.6
G3L: R61.1 U14.7
G4: J13.1 Q3.G4 R88.2 R96.2 R235.2 | length 370.6
  Top Layer w10: J13.1@3500.39,2200 3500.39,2408.91 3580.98,2489.5 3619.42,2489.5 Q3.G4@3625.98,2496.06
G4H: R88.1 U27.6
G4L: R96.1 U27.7
G5: J7.1 Q3.G5 R60.2 R64.2 R233.2 | length 691.7
  Top Layer w10: Q3.G5@3751.97,3503.94 3706.06,3503.94 3690,3520 3690,3685 3770,3765 3995,3765 4030,3800 J7.1@4100.39,3800
G5H: R60.1 U15.6
G5L: R64.1 U15.7
G6: J14.1 Q3.G6 R74.2 R83.2 R236.2 | length 308.3
  Top Layer w10: J14.1@4100.39,2200 4100.39,2461.95 4129.92,2491.48 Q3.G6@4129.92,2496.06
G6H: R74.1 U22.6
G6L: R83.1 U22.7
GD_DIS: R65.1 U5.74 | length 651.2
  Top Layer w10: R65.1@6818.62,3480 6830,3491.38 6830,3600 6867.45,3637.45 6867.45,3642.65 6909.8,3685 6988.42,3685 6989.92,3683.5 6996.81,3683.5 7020,3660.31 7020,3427.61 7035.48,3412.13 7062.09,3412.13 U5.74@7066.93,3407.28
GD_DIS_FILT: C94.1 R65.2 R189.2 U13.1 U13.19 | length 479.6
  Top Layer w10: U13.19@6510.59,3589.41 6555.59,3589.41 6581.18,3563.82 6750.75,3563.82 v1@6766.31,3548.25 ; R65.2@6761.38,3480 6761.38,3526.78 6775,3540.4 v1(6775,3545)
  Bottom Layer w10: R189.2@6736.38,3430 C94.1@6736.42,3500 C94.1@6736.42,3500 6737.37,3500 6771.75,3534.37 6771.75,3541.75 v1(6775,3545) v1@6775,3540.4